# KiCad board trifecta.kicad_pcb (continued)
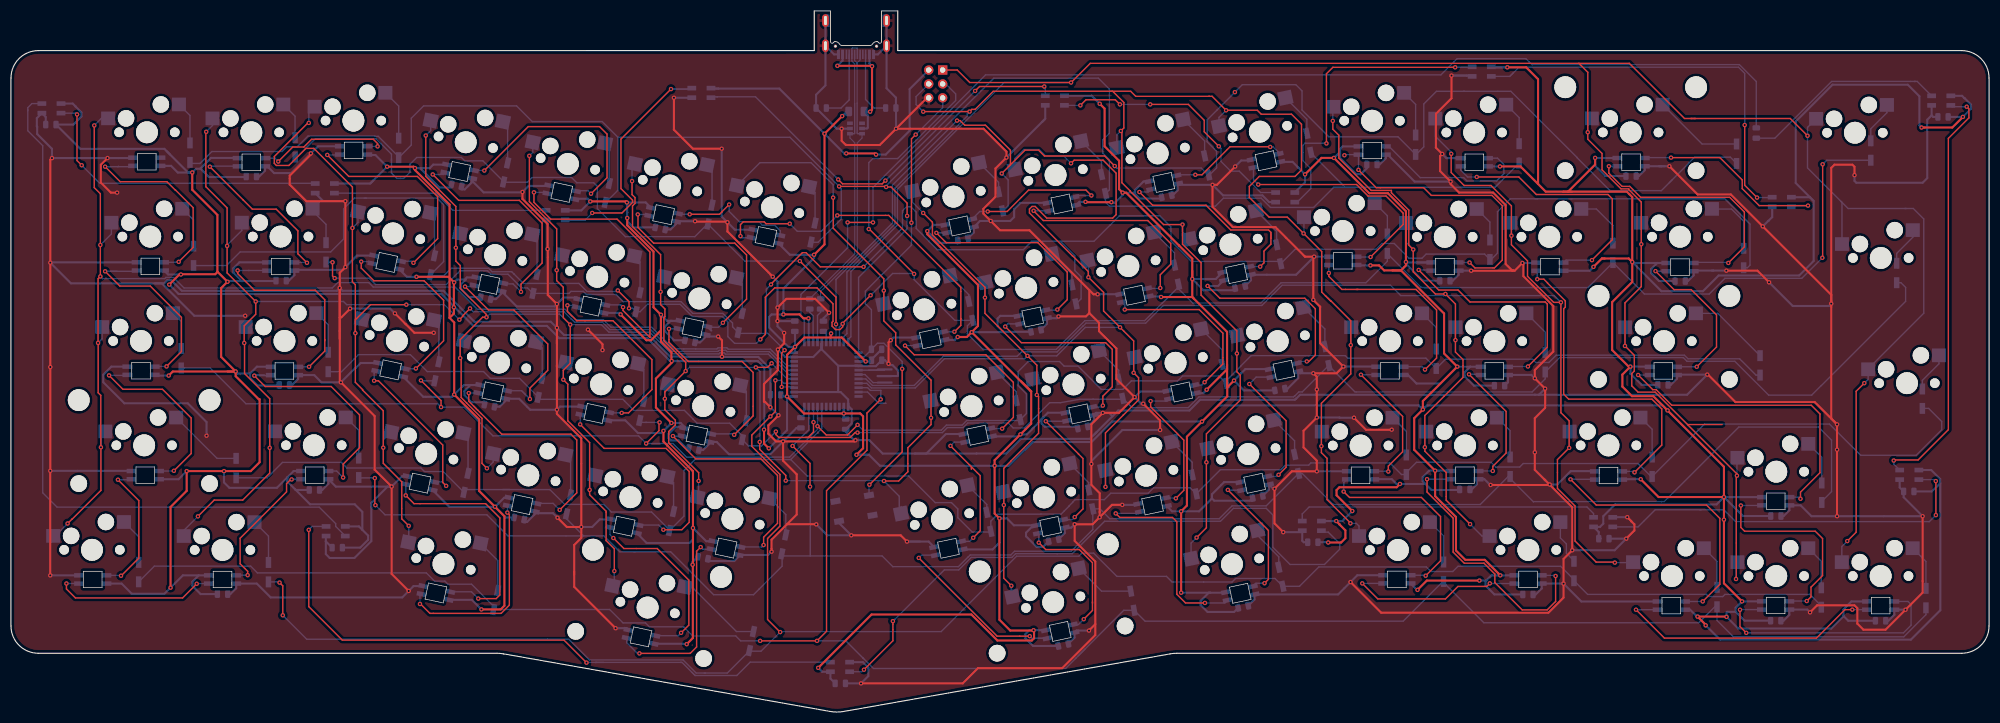
[diagram p0: board, top side]
## Routing (per net, layer and track width the routed paths; a pad name or vN(x,y) marks a point on that pad's centre or on a via; arc(x,y) is an arc through that point) (continued)
VBUS: length 25.1
  Top w0.381: v1(150.82,117.98) 157.07,117.98 v1(157.14,117.9) 157.14,109.95 v1(156.79,109.6)
  Bottom w0.381: v1(157.14,117.9) 156.67,118.38 J1.B4A9 ; v1(156.79,109.6) 155.71,109.6 F1.2 156.38,108.94 156.38,106.69 156.23,106.54 U2.5 ; v1(150.82,117.98) 151.77,118.93 J1.A4B9
0col: length 484.7
  Top w0.25: v1(294.55,66.83) 296.26,65.12 296.26,62.27 295.79,61.81 295.79,59.55 296.93,58.41 300.06,58.41 305.97,52.49 ; v1(294.55,66.83) 294.71,66.99 ; v1(294.55,66.83) 294.55,74.7 297.53,77.67 v1(297.53,85.41) 297.53,93.1 295.23,95.39 295.23,95.52 293.83,95.52 290.37,98.98 290.37,101.97 287.76,104.58 v1(287.76,105.85) 287.76,116.81 286.14,118.43 ; 307.35,108.36 324.72,108.36 v1(327.87,105.21) ; 307.35,108.36 306.51,108.36 ; 307.35,108.36 305.41,108.36 295.35,118.43 286.14,118.43 ; 307.35,108.36 307.34,108.35 ; v1(314.82,24.29) 314.87,24.34 314.87,43.04 v1(314.98,43.15) 314.98,43.47 305.97,52.48 305.97,52.49 ; 286.14,118.43 196.97,118.43 v1(193.47,114.93) 174.98,114.93 172.69,117.21 J2.1 ; 305.97,52.49 312.28,52.49 ; v1(335.12,31.21) 336.74,32.83 336.74,58.56 v1(338.23,60.05)
  Bottom w0.25: 345.63,91.93 345.86,91.93 ; 345.63,91.93 347.17,91.93 349.08,90.02 349.08,72.81 338.93,62.66 K_61.1 338.93,60.75 v1(338.23,60.05) ; 345.63,91.93 335.27,91.93 333.99,93.21 ; 333.99,93.21 327.87,99.33 v1(327.87,105.21) 327.87,106.74 K_31.1 ; 333.99,93.21 334.15,93.05 K_46.1 ; v1(314.82,24.29) 314.82,27.11 K_71.1 ; v1(314.98,43.15) 314.98,46.33 K_60.1 ; v1(193.47,114.93) 181.27,114.93 161.77,95.43 161.77,88.9 153.29,80.42 153.29,68.52 152.79,68.02 U1.11 ; v1(287.76,105.85) 287.76,107.62 K_15.1 ; v1(297.53,85.41) 297.5,85.43 K_30.1 ; 294.71,70.39 K_45.1 294.55,70.23 v1(294.55,66.83) 294.58,66.85 ; v1(335.12,31.21) 334.13,30.22 K_72.1
0row: length 9.1
  Bottom w0.25: 339.06,104.76 339.54,104.29 ; D_31.2 339.41,106.47 342.36,109.42 K_31.2 ; 339.06,103.93 339.56,103.43
1row: length 8
  Bottom w0.25: 344.16,81.24 344.32,81.08 ; 343.78,82.29 D_46.2 344.14,83.73 347.08,86.68 K_46.2
2row: length 8.8
  Bottom w0.25: 348.56,59.25 D_61.2 348.83,60.55 351.86,63.58 K_61.2 351.86,64.06
col0: length 228.5
  Top w0.25: v1(10.34,34.42) 11.14,35.22 11.17,35.22 16.42,40.47 v1(16.42,48.34) 16.39,48.36 16.39,57.82 15.91,58.3 15.91,67.38 v1(15.9,67.39) 15.9,79.11 v1(16.31,79.53) v1(16.31,85.27) 16.31,94.63 15.2,95.74 v1(15.2,107.1)
  Bottom w0.25: v1(16.31,79.53) 16.71,79.13 28.08,79.13 28.29,79.34 29.66,79.34 31.58,77.42 58.64,77.42 59.6,78.39 65.31,78.39 66.12,77.58 81.05,77.58 85.09,73.54 101.1,73.54 102.41,72.23 102.44,72.23 103.04,71.63 108.12,71.63 108.63,71.12 108.63,71.12 109.5,70.26 116.94,70.26 120.9,66.3 122.78,66.3 ; U1.41 141.62,63.22 138.59,66.24 130.89,66.24 130.65,66.49 129.04,66.49 128.83,66.29 124.96,66.29 124.95,66.3 122.78,66.3 ; 122.78,66.3 122.79,66.28 ; v1(15.2,107.1) 16.49,108.38 K_1.1 ; v1(10.34,34.42) 8.07,32.16 K_62.1 ; v1(15.9,67.39) 16.64,68.14 K_33.1 ; v1(16.42,48.34) 16.42,50.42 K_47.1 ; v1(16.31,85.27) 18.33,87.29 K_17.1
col1: length 334.2
  Top w0.25: v1(72.16,74.37) 65.62,74.37 62.85,71.6 v1(62.85,69.16) ; v1(35.63,105.93) 35.57,105.87 35.57,95.9 39.44,92.03 v1(39.44,85.1) 39.44,80.17 v1(44.67,74.95) 44.67,72.62 42.57,70.52 v1(42.57,67.38) 42.63,67.32 42.63,61.8 47.22,57.21 v1(47.22,48.23) 47.22,43.63 42.29,38.7 37.09,38.7 v1(34.12,35.73) ; v1(54.36,107.56) 54.2,107.56 48.06,101.42 48.06,100.16 48.44,99.79 50.72,99.79 53.83,102.9 55.28,102.9 62.32,95.86 v1(62.32,88.38) 62.31,88.38 62.31,88.44 62.31,78.55 62.85,78.02 v1(62.85,69.16) ; v1(62.85,69.16) 62.85,60.2 64.17,58.88 64.17,58.78 67.95,55 v1(67.95,48.26) 67.95,45.4 71.31,42.03 71.31,35.27 v1(72.6,33.99) ; v1(81.83,71.63) 82.49,72.29 82.49,72.41 v1(83.78,73.69)
  Bottom w0.25: K_34.1 42.57,70.03 v1(42.57,67.38) ; v1(83.78,73.69) 84.37,73.09 100.91,73.09 102.22,71.78 102.25,71.78 102.85,71.18 107.94,71.18 109.31,69.81 116.76,69.81 120.72,65.85 122.48,65.85 122.49,65.83 129.02,65.83 129.23,66.04 130.44,66.04 130.68,65.8 130.69,65.8 130.7,65.79 138.4,65.79 141.78,62.42 U1.40 ; K_64.1 72.6,31.06 v1(72.6,33.99) ; K_35.1 62.85,70.55 v1(62.85,69.16) ; v1(35.63,105.93) 36.78,107.08 K_2.1 ; K_49.1 67.95,49.68 v1(67.95,48.26) ; K_63.1 31.52,33.13 v1(34.12,35.73) ; v1(44.67,74.95) 60.69,74.95 61.27,74.37 v1(72.16,74.37) 79.09,74.37 v1(81.83,71.63) ; K_18.1 42.13,87.92 39.44,85.23 v1(39.44,85.1) ; v1(62.32,88.38) 63.33,89.39 K_19.1 ; v1(54.36,107.56) 54.36,109.47 K_3.1 ; v1(47.22,48.23) 47.22,50.28 K_48.1
col2: length 241.9
  Top w0.25: 83.17,56.43 83.15,56.43 ; 83.15,56.43 85.96,53.61 85.96,45.39 v1(86.86,44.5) ; 83.15,56.43 82.16,57.42 82.16,64.44 v1(81.99,64.62) 81.99,68 86.07,72.08 v1(86.78,72.08) 86.78,72.56 82,77.35 82,81.51 81.19,82.32 v1(81.19,84.76) 81.19,92.31 75.7,97.8 75.7,105.25 v1(75.7,105.25) ; v1(94.59,101.54) 94.61,101.52 94.61,93.19 99.59,88.21 v1(99.59,80.66) 99.59,78.76 100.8,77.56 100.8,72 v1(102.07,70.73) 102.07,63.65 100.81,62.39 v1(100.81,60.68) 101.62,59.86 101.62,53.17 105.6,49.19 v1(105.6,40.56) 105.6,39.67 108.61,36.66 108.61,31.29 110.11,29.79 v1(110.11,25.73)
  Bottom w0.25: v1(110.11,25.73) 110.11,23.37 K_65.1 ; K_4.1 76.6,106.14 v1(75.7,105.25) ; K_36.1 81.99,67.08 v1(81.99,64.62) ; v1(99.59,80.66) 99.59,82.43 K_21.1 ; U1.39 141.95,61.62 138.22,65.34 130.38,65.34 130.14,65.59 129.41,65.59 129.2,65.38 122.3,65.38 122.29,65.4 120.53,65.4 116.57,69.36 109.12,69.36 107.75,70.73 v1(102.07,70.73) 100.15,72.64 87.34,72.64 v1(86.78,72.08) ; K_37.1 100.81,63.31 v1(100.81,60.68) ; v1(86.86,44.5) 88.01,45.65 K_50.1 ; v1(81.19,84.76) 81.19,86.61 K_20.1 ; v1(105.6,40.56) 105.6,42.14 K_51.1 ; K_5.1 95.23,102.18 v1(94.59,101.54)
col3: length 241.1
  Top w0.25: v1(136.64,49.31) 136.64,47.96 141.4,43.21 v1(141.4,42.24) ; 120.3,48.9 120.03,49.17 120.03,51.21 121.25,52.43 121.25,53.27 119.33,55.19 v1(119.33,57.2) 119.33,58.45 v1(123.13,62.25) 123.13,63.84 119.16,67.81 119.16,71.99 119.35,72.18 119.35,73.59 118.56,74.38 v1(118.56,76.72) 118.56,83.5 113.43,88.63 113.43,92.4 113.89,92.86 113.89,93.93 113.35,94.47 v1(113.35,96.93) ; 120.3,48.9 125.5,43.7 v1(125.5,42.19) ; 120.3,48.9 120.3,48.89 ; v1(159.33,42.18) 161.99,42.18 163.68,43.87 163.68,48.26 167.91,52.49 v1(167.91,53.72) 167.91,60.59 161.46,67.04 161.46,69.25 159.29,71.42 v1(159.29,76.94) 159.29,79.11 150.07,88.33 150.07,93.9 v1(150.05,93.92) ; v1(138.81,63.67) 138.07,62.93 v1(135.94,62.93)
  Bottom w0.25: K_7.1 136.69,100.29 146,100.29 150.05,96.25 v1(150.05,93.92) ; v1(118.56,76.72) 118.56,78.79 K_22.1 ; K_6.1 113.35,99.55 v1(113.35,96.93) ; v1(125.5,42.19) 125.5,39.46 K_52.1 ; K_39.1 167.91,56.75 v1(167.91,53.72) ; v1(159.29,76.94) 159.29,74.6 K_23.1 ; v1(119.33,57.2) 119.33,59.24 K_38.1 ; v1(136.64,49.31) 136.7,49.26 136.7,62.17 v1(135.94,62.93) 123.82,62.93 v1(123.13,62.25) ; 162.45,37.51 K_53.1 162.11,36.58 162.11,39.4 v1(159.33,42.18) 159.27,42.24 v1(141.4,42.24) 141.41,42.23 ; U1.38 141.66,60.82 v1(138.81,63.67)
col4: length 266.9
  Top w0.25: v1(182.56,23.06) 181.19,24.43 181.19,37.77 ; 181.19,37.77 v1(181.2,37.79) ; 181.19,37.77 181.19,44.5 182.44,45.75 182.44,45.8 187.54,50.89 187.54,55.4 ; v1(166.47,91.11) 168.16,89.42 168.16,87.13 177.75,77.55 v1(177.75,75.67) 177.75,72.79 180.12,70.42 180.13,70.42 v1(185.52,65.02) 187.22,63.32 v1(187.22,57.89) 187.54,57.58 187.54,55.4 ; 187.54,55.4 187.56,55.4 ; v1(199.74,41.11) 199.74,50.95 203,54.21 203,54.21 205.79,57 205.79,61.04 v1(204.89,61.94) 204.89,67.75 v1(202.41,70.23) 200.45,72.18 200.44,72.18 199.4,73.23 199.4,76.26 199.41,76.27 199.41,76.61 v1(196.63,79.38) 196.61,79.4 196.61,80.42 193.74,83.3 193.7,83.3 185.87,91.13 185.87,91.83 186.34,92.31 186.91,92.31 189.03,90.18 201.06,90.18 201.68,90.81 201.68,98.38 199.31,100.75 194.04,100.75 v1(193.45,100.17)
  Bottom w0.25: v1(204.89,61.94) 204.89,64.59 K_41.1 ; v1(193.45,100.17) 192.17,101.45 188.89,101.45 187.63,102.71 184.89,102.71 183.18,101 K_9.1 ; K_66.1 182.56,21.25 v1(182.56,23.06) ; K_55.1 199.74,44.14 v1(199.74,41.11) ; K_40.1 187.22,60.05 v1(187.22,57.89) ; K_25.1 196.63,82.26 v1(196.63,79.38) ; v1(166.47,91.11) 164.55,93.04 K_8.1 ; v1(202.41,70.23) 196.06,70.23 190.85,65.02 v1(185.52,65.02) 185,64.51 170.36,64.51 165.02,59.17 157.03,59.17 156.18,60.02 U1.19 ; K_24.1 177.75,78.4 v1(177.75,75.67) ; K_54.1 181.2,40.07 v1(181.2,37.79)
col5: length 357.2
  Top w0.25: 218.63,112.41 205.27,112.41 204.35,113.33 200.75,113.33 ; 218.63,112.41 218.72,112.41 ; 218.63,112.41 219.21,112.41 v1(221.76,109.86) 227.45,109.86 228.18,109.14 233.7,109.14 235.52,107.32 235.52,98.96 234.34,97.78 227.82,97.78 226,95.96 226,93.96 229.6,90.36 232.92,90.36 v1(235.9,87.38) 239.2,84.07 239.2,76.67 239.89,75.99 239.9,75.99 240.86,75.03 ; 240.86,75.03 239.99,75.89 ; 240.86,75.03 240.92,75.03 244.51,71.43 v1(244.51,66.99) 244.51,61.74 239.15,56.37 v1(239.15,48.54) 239.15,47.35 240.18,46.32 240.18,38.79 244.44,34.53 v1(244.44,34.45) ; v1(216.37,31.85) 218.16,33.64 v1(218.16,45.6) 218.16,50.78 224.35,56.96 224.35,61.51 223.72,62.13 v1(223.72,65.46) 223.72,69.58 217.19,76.11 217.19,82.02 213.8,85.41 v1(213.8,88.99) 210.34,88.99 204.21,95.13 204.21,95.17 202.74,96.64 202.74,105.9 v1(202.55,106.08) 203.1,106.63 203.1,111.28 201.06,113.33 200.75,113.33 ; v1(166.49,109.61) 166.51,109.63 v1(174.94,109.63) 175.34,110.03 175.97,110.03 179.27,113.33 200.75,113.33
  Bottom w0.25: v1(174.94,109.63) 174.54,109.23 174.54,108.84 172.76,107.06 172.75,107.06 ; v1(244.51,66.99) 244.51,70.18 K_43.1 ; U1.10 151.99,68.52 152.56,69.09 152.56,80.33 161.32,89.09 161.32,95.62 164.54,98.83 164.54,98.84 172.76,107.06 ; K_56.1 218.16,47.93 v1(218.16,45.6) ; v1(244.44,34.45) 245.52,34.45 246.02,33.95 K_68.1 ; K_42.1 223.72,68.72 v1(223.72,65.46) ; v1(202.55,106.08) 201.81,105.34 K_10.1 ; K_67.1 215.37,30.85 v1(216.37,31.85) ; K_57.1 239.15,51.12 v1(239.15,48.54) ; v1(221.76,109.86) 220.46,108.57 K_11.1 ; v1(213.8,88.99) 213.8,87.67 K_26.1 ; v1(235.9,87.38) 235.96,87.44 K_27.1 ; J2.4 165.18,112.36 165.18,110.91 v1(166.49,109.61)
col6: length 359.4
  Top w0.25: v1(292.7,27.28) 292.61,27.37 289.29,27.37 285.44,31.22 285.44,37.61 282.23,40.82 282.23,46.09 v1(284.36,48.22) 284.36,53.15 282.86,54.65 v1(282.86,74.79) 281.53,74.79 276.77,79.55 276.77,82.36 273.83,85.3 v1(273.83,86.97) 273.83,92.4 270.1,96.13 265.2,96.13 262.84,98.49 v1(262.84,101.91) ; v1(241.23,107.92) 241.23,106.41 242.33,105.31 242.33,101.14 248.24,95.23 251.93,95.23 251.93,94.81 255.1,91.64 255.1,85.25 v1(255.91,84.44) 255.91,80.37 259.96,76.32 v1(261.78,76.32) 263.61,74.49 v1(263.61,67.9) 263.61,65.73 264.99,64.35 264.99,61.1 261.55,57.66 261.54,57.66 258.03,54.14 v1(258.03,48.35) 258.03,47.62 261.92,43.73 261.92,38.67 v1(266.28,34.31)
  Bottom w0.25: v1(262.84,101.91) 262.84,102.22 259.95,105.12 K_13.1 ; K_70.1 295.94,27.28 v1(292.7,27.28) ; K_29.1 273.83,89.12 v1(273.83,86.97) ; v1(266.28,34.31) 268.46,32.13 K_69.1 ; U1.18 156.02,60.82 157.21,59.62 164.84,59.62 170.17,64.96 183.63,64.96 184.42,65.75 190.92,65.75 195.6,70.43 195.62,70.43 196.2,71 207.08,71 210.3,74.23 228.29,74.23 231.98,77.92 251.73,77.92 253.63,76.03 261.49,76.03 v1(261.78,76.32) 262.07,76.03 281.63,76.03 v1(282.86,74.79) ; K_44.1 263.61,70.24 v1(263.61,67.9) ; v1(255.91,84.44) 254.59,85.76 K_28.1 ; K_59.1 284.36,51.13 v1(284.36,48.22) ; v1(258.03,48.35) 258.03,50.95 K_58.1 ; v1(241.23,107.92) 241.23,110.41 241.32,110.49
D+: length 50.7
  Bottom w0.2: 154.42,118.35 154.42,118.51 153.97,118.96 J1.A6 ; 154.42,118.35 154.42,118.48 ; 154.42,118.35 154.42,111.15 ; J1.B6 154.97,119.05 154.42,118.5 ; U2.6 155.32,104.79 154.44,103.92 154.44,83.47 147.76,76.79 R4.2
  Bottom w0.25: 154.42,111.15 154.42,105.7 154.54,105.59 U2.6
D-: length 52.7
  Bottom w0.2: R5.2 153.99,83.66 153.99,103.92 153.12,104.79 U2.1 ; 153.97,111.09 153.97,118.34 153.47,118.84 J1.B7 153.47,121.15 153.56,121.24 154.39,121.24 154.47,121.16 J1.A7
  Bottom w0.25: U2.1 153.9,105.59 153.97,105.66 153.97,111.09
ENC1B: length 5.9
  Bottom w0.25: 159.59,56.36 159.67,56.36 ; 159.59,56.36 158.37,56.36 156.32,58.42 U1.21 ; 159.59,56.36 159.65,56.36
LED: length 218
  Top w0.25: v1(152.68,89.39) v1(157.32,89.39)
  Bottom w0.25: R7.2 318.52,115.12 315.44,118.2 277.58,118.2 277.04,118.73 277.01,118.73 276.46,119.28 263.92,119.28 263.37,118.73 263.37,118.73 260.97,116.33 177.87,116.33 157.32,95.78 v1(157.32,89.39) ; 144.79,67.32 144.79,71.7 144.17,72.32 144.17,76.24 152.68,84.76 v1(152.68,89.39)
row0: length 381.5
  Top w0.25: v1(172.65,107.98) 173.22,107.98 174.07,107.13 177.85,107.13 182.4,102.58 182.4,99.92 182.22,99.74 ; v1(201.43,99.68) 199.6,101.52 188.6,101.52 187.53,102.59 185.07,102.59 182.22,99.74 ; 182.22,99.74 v1(180.81,98.33) ; v1(143.97,82.33) 150.57,75.74 v1(150.57,70.81)
  Bottom w0.25: D_15.1 313.77,101.3 307.26,101.3 306.15,100.2 306.15,100.15 303.08,97.08 ; 71.03,97.42 70.44,97.42 69.81,98.06 69.78,98.06 69.44,98.4 69.44,100.64 ; 71.03,97.42 71.68,97.42 72.81,98.55 72.81,100 74.06,101.25 82.19,101.25 82.81,100.63 86.12,100.63 89.82,96.93 89.82,96.73 94.25,96.73 95.11,97.59 102.31,97.59 103.27,96.62 106.36,96.62 107.01,95.96 107.01,91.91 112.13,86.79 124.8,86.79 127.14,89.13 133.94,82.33 v1(143.97,82.33) ; 71.03,97.42 71.05,97.44 ; 181.08,91.52 181.98,92.42 181.98,97.15 v1(180.81,98.33) ; U1.8 150.57,67.7 v1(150.57,70.81) 150.57,78.97 160.87,89.28 160.87,96.19 v1(172.65,107.98) ; 265.22,113.32 260.14,113.32 257.84,111.02 257.84,103.19 256.45,101.8 D_12.1 253.13,105.01 240.51,105.01 235.61,109.91 235.61,113.4 234.49,114.53 224.71,114.53 v1(223.37,113.18) 223.36,113.18 223.36,113.16 220.08,109.87 ; 265.22,113.32 265.05,113.32 ; 265.22,113.32 273.73,113.32 285.78,101.27 285.78,101.23 291.81,95.19 301.19,95.19 303.08,97.08 ; 220.08,109.87 220.02,109.82 ; 220.08,109.87 218.29,108.09 218.29,104.12 220.02,102.38 220.02,99.34 218.6,97.92 217.21,99.32 201.8,99.32 v1(201.43,99.68) ; 303.08,97.08 302.64,96.64 ; 69.44,100.64 69.44,101.86 66.64,104.65 55.51,104.65 52.19,101.33 D_2.1 ; 69.44,100.64 69.44,101.01 ; 89.7,96.18 89.7,95.92
row1: length 368.8
  Top w0.25: v1(159.71,95.86) 160.6,95.86 163.54,92.92 v1(163.54,90.58) ; v1(159.71,95.86) 159.92,95.86 ; v1(159.71,95.86) 159.6,95.96 v1(151.13,95.96)
  Bottom w0.25: 110.76,104.93 110.77,104.93 142.17,104.93 v1(151.13,95.96) 151.53,95.56 151.53,90.01 147.29,85.76 145.87,85.76 ; 110.76,104.93 110.76,95.27 108.52,93.02 ; 110.76,104.93 107.9,107.8 95.13,107.8 92.28,110.66 75.31,110.66 73.06,108.41 73.06,103.52 D_3.1 70.76,101.38 67.03,105.1 66.46,105.1 66.4,105.16 54.21,105.16 52.25,103.19 50.31,103.19 49.45,102.33 36.67,102.33 34.5,100.16 32.86,100.16 D_1.1 ; U1.12 154.69,79.35 163.53,88.19 163.53,90.57 v1(163.54,90.58) ; 271.71,96.69 D_13.1 ; 271.71,96.69 271.06,96.03 ; 271.71,96.69 270.82,95.8 243.5,95.8 ; 275.2,101.17 275.43,100.94 ; v1(159.71,95.86) 159.71,96.07 179.37,115.73 198.44,115.73 200.45,113.72 200.45,105.65 199.23,104.43 199.23,102.06 200.45,100.84 200.45,95.33 199.84,94.72 ; 243.5,95.8 237.23,102.06 ; 243.5,95.8 241.41,95.8 237.73,92.13 229.85,92.13 228.16,93.82 221.27,93.82 219.81,92.36 200.47,92.36 199.76,93.07 D_9.1
row2: length 353.5
  Top w0.25: v1(140.65,59.35) 140.65,65.53 v1(141.18,66.07) ; v1(138.7,78.06) 138.7,78.14 144.43,83.87 145.11,83.87 147.69,81.28 v1(155.6,81.28) ; v1(58.68,82.11) 58.68,79.61 v1(59.08,79.21)
  Bottom w0.25: 92.48,78.15 90.7,79.93 87.6,79.93 86.97,80.56 81.97,80.56 81.5,80.09 81.46,80.09 79.41,78.03 66.56,78.03 65.38,79.21 v1(59.08,79.21) ; 92.48,78.15 92.68,77.96 ; 92.48,78.15 93.21,77.43 ; v1(140.65,59.35) 142.75,59.35 U1.36 ; 93.21,77.43 94.27,77.43 D_20.1 101.84,76.43 102.21,76.8 104.46,76.8 105.02,76.24 110.4,76.24 111.72,74.92 122.28,74.92 124.43,72.78 129.92,72.78 131.69,71.01 131.69,70.33 D_22.1 132.89,69.13 138,69.13 ; 93.21,77.43 92.68,77.96 ; 200.65,88.95 202.3,90.6 209.65,90.6 211.7,88.55 211.7,86 215.43,82.27 231.29,82.27 D_26.1 234.35,84.48 249.11,84.48 250.18,85.55 252.44,85.55 255.13,82.86 257.51,82.86 258.26,83.61 268.93,83.61 D_28.1 ; 200.65,88.95 200.65,88.95 197.65,85.96 191.49,85.96 ; 200.65,88.95 200.64,88.95 ; D_28.1 270.14,82.63 271.28,83.78 271.28,91.35 273.63,93.7 278.63,93.7 ; D_28.1 270.21,82.63 ; 270.07,82.12 270.13,82.07 ; v1(138.7,78.06) 137.85,77.21 137.85,69.27 138,69.13 ; 191.49,85.96 186.31,85.96 184.76,84.41 169.04,84.41 167.54,85.91 167.54,85.96 165.2,88.3 165.2,91.29 164.23,92.26 163.43,92.26 162.7,91.52 162.7,88.39 v1(155.6,81.28) ; 191.49,85.96 194.16,83.29 194.16,80.6 195.3,79.46 195.3,75.45 D_24.1 ; 278.63,93.7 284.86,93.7 ; 278.63,93.7 278.11,93.7 ; 284.86,93.7 312.76,93.7 317.37,89.09 317.37,81.59 316.9,81.12 D_30.1 ; 284.86,93.7 284.6,93.7 ; 138,69.13 138.12,69.13 v1(141.18,66.07) ; 58.67,82.12 v1(58.68,82.11) 58.66,82.14 D_18.1 ; 92.68,77.96 92.84,77.8
row3: length 463.3
  Top w0.25: v1(151.79,70.88) 151.79,70.32 151.3,69.83 150.47,69.83 149.84,70.46 149.84,71.16 150.02,71.33 150.02,74.53 147.11,77.43 139.37,77.43 137.67,75.73 137.67,68.94 v1(136.76,68.04) ; v1(151.79,70.88) 151.63,70.73 ; v1(151.79,70.88) 151.79,71 v1(156.88,76.09) ; v1(156.55,88.17) 156.64,88.17 v1(164.82,79.98) ; v1(330.57,82.93) 330.63,82.99 v1(330.63,100) ; v1(112.79,73.7) 112.79,74.93 112.55,75.18 112.53,75.18 v1(110.74,76.96)
  Bottom w0.25: 258.71,77.5 257.39,77.5 251.19,83.7 D_27.1 251.19,82.29 247.27,78.37 231.8,78.37 228.1,74.68 215.67,74.68 213.07,77.27 D_25.1 213.07,77.6 210.15,74.68 210.12,74.68 206.89,71.45 195.99,71.45 190.73,66.2 177.41,66.2 174.55,69.06 174.55,70.52 D_23.1 172.25,71.51 164.82,78.94 v1(164.82,79.98) 164.74,80.07 160.9,80.07 156.92,76.09 v1(156.88,76.09) ; 258.71,77.5 287.8,77.5 D_29.1 298.1,76.32 309.93,76.32 312.8,79.19 326.83,79.19 v1(330.57,82.93) ; 258.71,77.5 257.93,77.5 ; 292.36,81.22 292.44,81.22 ; 339.41,100.28 339.56,100.13 ; 33.33,81.78 D_17.1 39.34,81.51 41.83,84 58.34,84 60.71,86.37 60.71,91.87 62.67,93.83 64.81,93.83 ; 64.81,93.83 77.75,93.83 78.95,92.63 78.95,82.23 D_19.1 76.73,79.65 78.41,79.65 ; 64.81,93.83 64.47,93.83 ; 81.78,81.01 87.17,81.01 87.8,80.38 91.39,80.38 91.84,79.93 ; v1(156.55,88.17) 156.55,100.31 157.29,101.05 161.81,101.05 172.41,111.64 172.41,112.86 170.59,114.67 J2.3 ; U1.9 151.19,70.28 v1(151.79,70.88) ; 91.84,79.93 93.52,78.25 103.65,78.25 105.11,76.79 110.57,76.79 v1(110.74,76.96) 110.54,77.16 ; 91.84,79.93 91.76,80.01 ; D_31.1 331.36,100.74 v1(330.63,100) ; v1(136.76,68.04) 136.04,67.31 132.06,67.31 130.83,68.55 130.83,71.23 129.85,72.22 124.35,72.22 122.13,74.44 116.17,74.44 114.83,73.09 D_21.1 113.46,73.7 v1(112.79,73.7) ; 78.41,79.65 77.15,79.65 ; 78.41,79.65 78.98,79.65 80.35,81.01 81.75,81.01
row4: length 343
  Top w0.25: v1(115.92,49.02) 118.27,51.37 118.27,52.79 v1(118.36,52.89) ; v1(154.5,52.43) 152.66,50.59 148.79,50.59 v1(147.19,52.19) ; v1(74.82,60.55) 76.24,59.13 76.24,59.12 78.49,56.87 v1(78.49,55.67)
  Bottom w0.25: v1(74.82,60.55) 74.9,60.47 D_35.1 ; 115.92,52.89 115.1,52.89 D_37.1 ; 115.92,52.89 v1(118.36,52.89) ; 115.92,52.89 115.9,52.87 ; U1.30 v1(147.19,52.19) 147.19,51.62 142.11,46.55 123.28,46.55 120.81,49.02 v1(115.92,49.02) 114.53,50.42 87.96,50.42 82.71,55.67 v1(78.49,55.67) 77.88,56.28 42.88,56.28 36.34,62.83 D_33.1 31.73,62.83 ; v1(154.5,52.43) 155.46,51.47 169.79,51.47 170.71,52.39 173.59,52.39 174.43,53.22 184.04,53.22 D_39.1 185.32,54.5 185.32,58.07 183.8,59.59 183.8,62.14 185.65,63.99 191.36,63.99 192.19,63.16 194.74,63.16 198.98,58.92 202.93,58.92 204.47,60.45 212.91,60.45 213.81,61.35 220.46,61.35 D_41.1 221.79,60.5 224.42,63.12 224.42,63.15 226.33,65.06 243.5,65.06 243.96,64.61 258.22,64.61 D_43.1 261.81,64.42 277.67,64.42 278.26,63.82 280.67,63.82 282,65.15 305.39,65.15 306.06,64.49 315.48,64.49 318.45,61.51 D_45.1
row5: length 332
  Top w0.25: 145.09,50.14 153.19,50.14 153.18,50.14 154.06,51.02 v1(154.49,51.02) ; 145.09,50.14 145.47,50.14 146.46,51.13 v1(146.46,52.92) ; 145.09,50.14 140.12,50.14 139.59,50.66 v1(139.59,51.21)
  Bottom w0.25: U1.31 146.46,55.64 v1(146.46,52.92) ; 197.47,57.11 195.07,57.11 191.48,56.48 189.56,56.48 184.96,51.87 182.9,51.87 182,52.77 174.61,52.77 173.78,51.94 170.9,51.94 169.98,51.02 v1(154.49,51.02) ; 197.47,57.11 202.74,57.11 D_40.1 204.6,55.56 214.84,55.56 216.81,57.53 234.07,57.53 234.26,57.72 234.32,57.72 235.04,58.44 235.65,58.44 240.46,63.26 245.28,58.44 277.61,58.44 280,60.83 D_44.1 282.62,64.7 305.21,64.7 305.87,64.04 306.56,64.04 314.59,64.04 320.78,57.86 328.63,57.86 330.38,59.61 330.4,59.61 345.77,74.98 345.77,77.53 344.91,78.38 D_46.1 ; 197.47,57.11 197.48,57.12 ; v1(139.59,51.21) 136.97,48.59 134.6,48.59 D_38.1 133.46,50.43 131.17,52.73 125.22,52.73 124.42,53.53 124.42,53.56 122.9,55.07 113.68,55.07 111.98,56.77 111.98,56.78 111.67,57.09 96.65,57.09 92.81,60.93 87.48,60.93 86.25,62.16 75.98,62.16 72.89,65.24 63.43,65.24 62.63,64.44 60.32,62.14 D_34.1
row6: length 356.8
  Top w0.25: v1(142.64,48.58) 145.83,45.39 v1(145.83,41.15) ; v1(66.51,37.77) 66.4,37.88 v1(66.4,42.72)
  Bottom w0.25: v1(145.83,41.15) 145.87,41.11 145.87,28.5 ; v1(142.64,48.58) 145.59,51.52 U1.32 ; 113.88,29.25 111.13,29.25 108.21,32.16 104.51,32.16 ; 113.88,29.25 113.65,29.25 ; 113.88,29.25 120.4,29.25 128.23,21.42 135.51,21.42 136.59,22.5 ; v1(66.4,42.72) 66.37,42.75 63.82,42.75 ; 104.51,32.16 90.7,32.16 86.85,36.01 68.27,36.01 v1(66.51,37.77) ; 104.51,32.16 101.4,35.27 D_50.1 ; 145.87,28.5 141.09,28.5 140.73,28.87 140.73,26.63 136.59,22.5 ; 145.87,28.5 158.98,28.5 160.94,26.54 172.91,26.54 174.72,28.35 174.73,28.35 175.05,28.67 182.47,28.67 183.16,29.36 193.48,29.36 197.43,33.31 D_54.1 198.73,37.09 200.54,35.28 220.5,35.28 222.86,37.64 229.08,37.64 D_56.1 235.65,43.56 241.32,37.88 268.13,37.88 273.23,42.99 277.84,38.38 277.88,38.42 301.72,38.42 315.33,52.03 329.86,52.03 332.25,49.64 332.25,40.25 330.47,38.46 D_60.1 ; 136.59,22.5 136.49,22.4
row7: length 373
  Bottom w0.25: D_47.1 46.73,42.76 49.55,45.58 60.28,45.58 61.31,44.55 74.81,44.55 75.46,43.91 78.88,43.91 D_49.1 83.18,40.62 91.01,40.62 ; 142.3,46.1 147.99,51.78 U1.29 ; 142.3,46.1 145.3,43.09 163.81,43.09 168.67,38.23 171.65,38.23 172.8,37.08 172.8,35.49 175.43,32.86 178.69,32.86 D_53.1 178.82,34.86 180.09,36.12 187.96,36.12 187.98,36.15 191.67,36.15 192.23,36.71 192.23,36.72 193.11,37.6 193.11,37.63 193.76,38.28 193.76,38.32 194.21,38.78 199.54,38.78 200.71,39.95 207.55,39.95 208.53,40.93 215.21,40.93 D_55.1 220.72,44.25 231.75,44.25 232.58,45.08 236.83,45.08 237.23,45.48 251.65,45.48 253.76,43.37 254.28,43.37 256.5,45.59 270.16,45.59 270.13,45.57 270.97,44.73 275.34,44.73 275.98,45.37 296.95,45.37 299.31,43.01 D_59.1 309.07,52.57 331.87,52.57 337.56,46.88 347.7,46.88 352.36,51.54 352.36,53.05 349.97,55.43 D_61.1 ; 142.3,46.1 124.82,46.1 122.82,44.1 122.82,35.77 D_51.1 120.19,33.23 116.9,36.52 109.57,36.52 108.17,37.91 101.05,37.91 98.34,40.62 91.01,40.62 ; 89.75,40.62 91.01,40.62
row8: length 367.3
  Top w0.25: v1(49.61,17.67) 49.61,23.04 v1(49.01,23.63) ; v1(139.5,60.56) 139.5,54.87 v1(138.6,53.96) 135.2,50.56 135.2,48.52 140.34,43.38 140.34,33.95 138.08,31.69 138.08,16.9 v1(140.37,14.6)
  Bottom w0.25: 126.68,7.12 125.04,7.12 122.65,9.51 105.59,9.51 101.81,13.29 97.85,13.29 ; 126.68,7.12 126.52,7.12 ; 126.68,7.12 130.73,7.12 134.82,11.21 134.92,11.11 136.89,11.11 v1(140.37,14.6) 140.46,14.68 169.76,14.68 183.52,28.45 194.89,28.45 195.45,29.01 197.58,29.01 201.83,24.77 210.88,24.77 211.91,23.74 217.65,23.74 ; 97.85,13.29 53.98,13.29 v1(49.61,17.67) ; 97.85,13.29 98.05,13.29 ; 217.65,23.74 222.85,23.74 223.5,24.39 230.68,24.39 D_67.1 235.15,22.96 238.69,26.49 258.29,26.49 259.13,25.66 263.13,25.66 264.08,26.61 282.81,26.61 285.25,24.17 D_69.1 287.74,21.48 309.44,21.48 309.84,21.08 312.4,21.08 312.8,21.48 328.29,21.48 330.38,19.39 D_71.1 ; 217.65,23.74 217.66,23.73 ; v1(49.01,23.63) 48.89,23.76 D_63.1 ; U1.37 141.05,60.02 140.51,60.56 v1(139.5,60.56)
row9: length 411.7
  Top w0.25: v1(158.72,57.09) 156.21,54.58 156.21,47.79 148.84,40.41 148.84,14.73 v1(147.1,12.99) v1(136.72,12.99)
  Bottom w0.25: 155.52,9.83 152.36,12.99 v1(147.1,12.99) ; 155.52,9.83 155.62,9.73 ; 155.52,9.83 155.53,9.83 157.41,7.95 192.46,7.95 194.35,9.84 ; D_72.1 349.47,17.78 345.43,13.73 314.34,13.73 311.35,16.73 D_70.1 310.95,19.22 308.02,16.3 268.8,16.3 261.45,23.65 D_68.1 261.32,23.84 254.07,16.59 206.97,16.59 D_66.1 203.09,18.58 196,11.49 ; 194.24,9.73 194.35,9.84 ; 194.35,9.84 196,11.49 ; 88.15,18.71 88.15,19.24 84.05,23.34 79.74,23.34 79.18,23.9 77.31,23.9 75.8,25.4 44.97,25.4 43.74,26.64 26.17,26.64 D_62.1 ; 196,11.49 194.76,10.25 ; U1.20 156.35,59.22 156.84,58.72 158.76,58.72 158.76,57.13 v1(158.72,57.09) ; D_64.1 109.26,18.72 111.7,16.27 115.79,16.27 116.5,15.56 122.75,15.56 124.42,13.9 132.27,13.9 133.17,12.99 v1(136.72,12.99)
Net-(C1-Pad1): length 2.4
  Bottom w0.25: C1.1 148.79,68.98 148.79,67.32
Net-(D_1-Pad2): length 7.9
  Bottom w0.25: K_1.2 32.67,108.91 D_1.2
Net-(D_2-Pad2): length 6.9
  Bottom w0.25: D_2.2 51.85,108.78 K_2.2
Net-(D_3-Pad2): length 9.3
  Bottom w0.25: K_3.2 70.76,110.63 D_3.2
Net-(D_4-Pad2): length 7.9
  Bottom w0.25: K_4.2 90.64,106.9 D_4.2
Net-(D_5-Pad2): length 7.6
  Bottom w0.25: K_5.2 109.2,103.02 D_5.2
Net-(D_6-Pad2): length 7.7
  Bottom w0.25: D_6.2 127.94,98.96 K_6.2
Net-(D_7-Pad2): length 7.1